# Altium PCB Mag256_9mm.PcbDoc (part 4 of 6)
Units mm, origin at the board's own origin, x right, y up, seen from the top; angles counter-clockwise.
Board outline 174.75 x 142 mm, 6 copper layers (L1 (SIG), L2 (GND), L3 (SIG), L4 (GND), L5 (PWR), L6 (SIG)), stack 1.597 mm thick; 756 components, 438 nets, 2517 pads, 2145 vias.
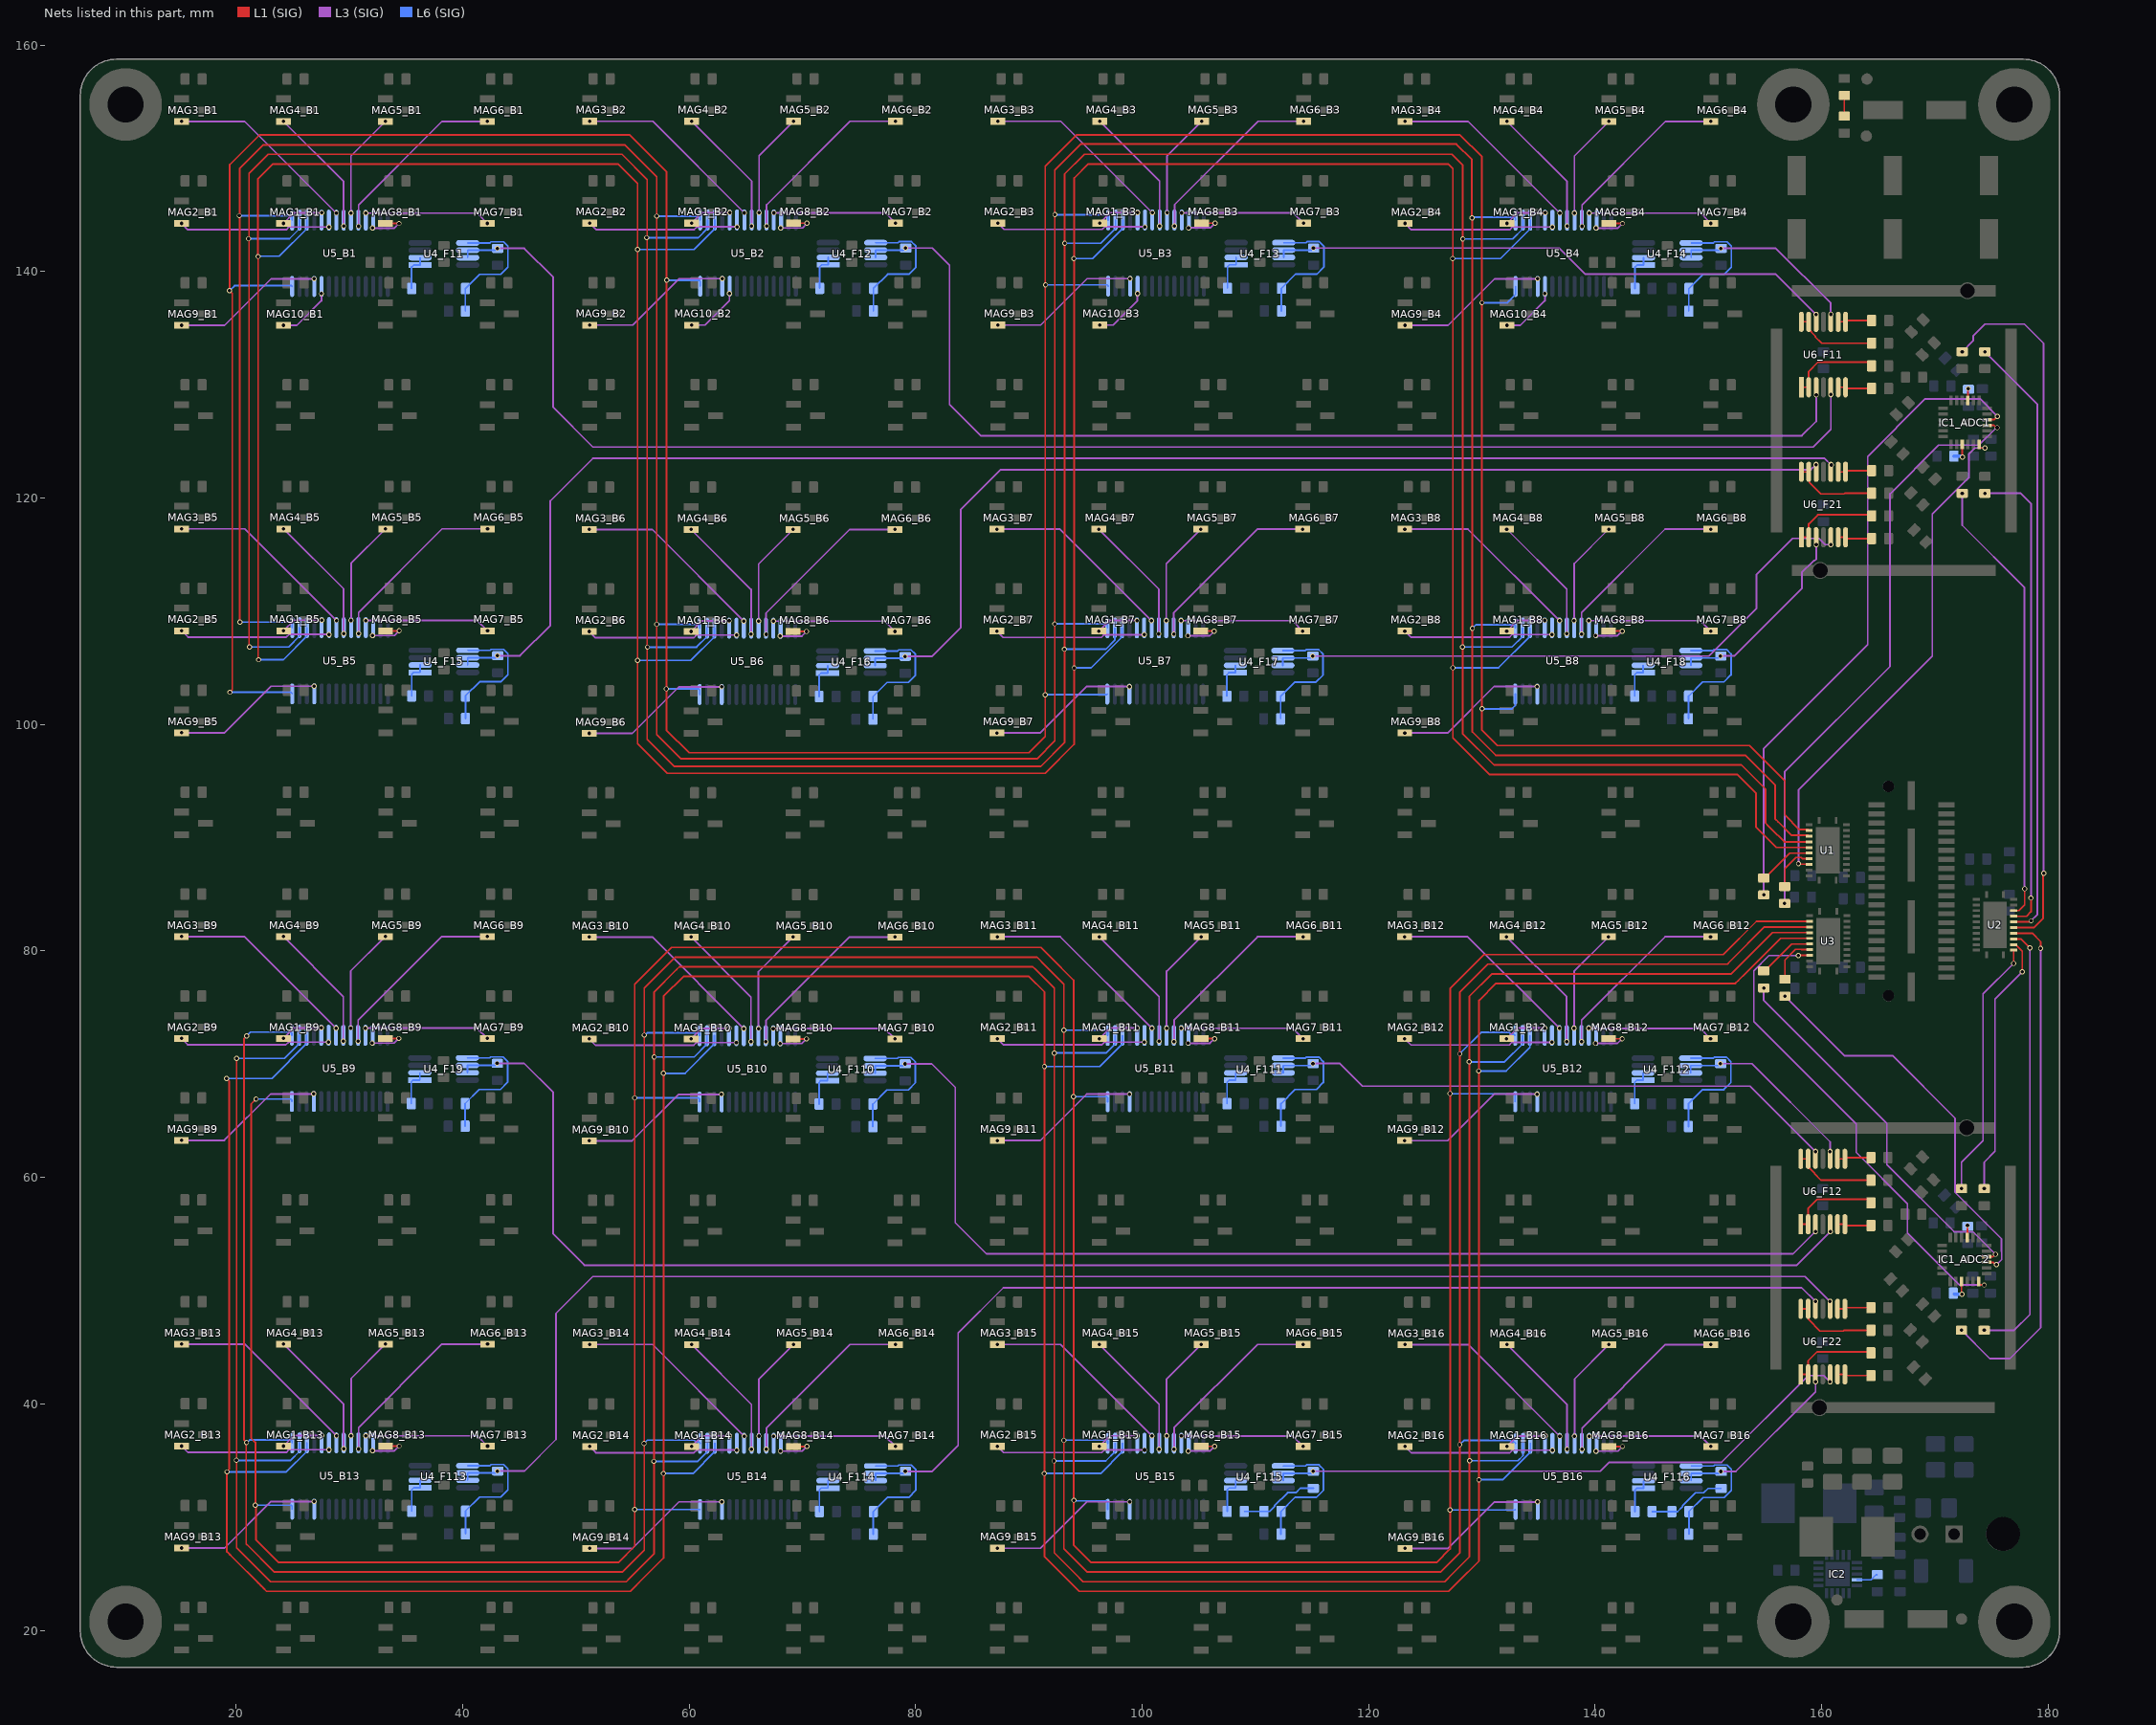
[diagram p8: the nets of this part, all layers, seen from the top]

## Via types
v1: diameter 0.45, hole 0.3, L1 (SIG) to L6 (SIG), 2060 vias
v2: diameter 0.5, hole 0.3, L1 (SIG) to L6 (SIG), 85 vias

## Nets (pads, with @x,y where several pads share a name; then routed paths per layer and width w, separated by ;. In a path a pad name is that pad's centre, name@x,y a point inside that pad or via, vN(x,y) a via of type N, cw(c..) or ccw(c..) an arc to the next point about the centre after c; other vN are vias at no path point) (continued)
NetC53_F115_1: C53_F115.1 R13_F115.1 R14_F115.2 | length 7
  L6 (SIG) w0.152: R13_F115.1@109.011,30.499 R14_F115.2@110.761,30.499 111.261,30.499 111.696,30.934 111.696,31.009 112.846,32.159 113.572,32.159 113.962,32.549 C53_F115.1@115.111,32.549
NetC53_F116_1: C53_F116.1 R13_F116.1 R14_F116.2 | length 7
  L6 (SIG) w0.152: R13_F116.1@145.024,30.484 R14_F116.2@146.774,30.484 147.274,30.484 147.709,30.919 147.709,30.993 148.859,32.144 149.586,32.144 149.976,32.534 C53_F116.1@151.124,32.534
NetC55_F11_2: C55_F11.2 R14_F11.1 U4_F11.5 | length 12.1
  L6 (SIG) w0.152: C55_F11.2@40.25,136.5 R14_F11.1@40.25,138.5 41.5,139.75 43.375,139.75 44,140.375 44,142.225 43.61,142.615 42.511,142.615 42.421,142.525 U4_F11.5@40.45,142.525
NetC55_F12_2: C55_F12.2 R14_F12.1 U4_F12.5 | length 12.1
  L6 (SIG) w0.152: C55_F12.2@76.279,136.518 R14_F12.1@76.279,138.518 77.529,139.768 79.404,139.768 80.029,140.393 80.029,142.243 79.638,142.633 78.539,142.633 78.449,142.543 U4_F12.5@76.479,142.543
NetC55_F13_2: C55_F13.2 R14_F13.1 U4_F13.5 | length 12.1
  L6 (SIG) w0.152: C55_F13.2@112.298,136.52 R14_F13.1@112.298,138.52 113.548,139.77 115.423,139.77 116.048,140.395 116.048,142.244 115.657,142.635 114.558,142.635 114.468,142.545 U4_F13.5@112.498,142.545
NetC55_F14_2: C55_F14.2 R14_F14.1 U4_F14.5 | length 12.1
  L6 (SIG) w0.152: C55_F14.2@148.273,136.5 R14_F14.1@148.273,138.5 149.523,139.75 151.398,139.75 152.023,140.375 152.023,142.225 151.633,142.615 150.534,142.615 150.444,142.525 U4_F14.5@148.473,142.525
NetC55_F15_2: C55_F15.2 R14_F15.1 U4_F15.5 | length 12.1
  L6 (SIG) w0.152: C55_F15.2@40.256,100.52 R14_F15.1@40.256,102.52 41.506,103.77 43.381,103.77 44.006,104.395 44.006,106.245 43.616,106.635 42.517,106.635 42.427,106.545 U4_F15.5@40.456,106.545
NetC55_F16_2: C55_F16.2 R14_F16.1 U4_F16.5 | length 12.1
  L6 (SIG) w0.152: C55_F16.2@76.233,100.465 R14_F16.1@76.233,102.465 77.483,103.715 79.358,103.715 79.983,104.34 79.983,106.19 79.593,106.58 78.494,106.58 78.404,106.49 U4_F16.5@76.434,106.49
NetC55_F17_2: C55_F17.2 R14_F17.1 U4_F17.5 | length 12.1
  L6 (SIG) w0.152: C55_F17.2@112.229,100.496 R14_F17.1@112.229,102.496 113.479,103.746 115.354,103.746 115.979,104.371 115.979,106.221 115.589,106.611 114.49,106.611 114.4,106.521 U4_F17.5@112.43,106.521
NetC55_F18_2: C55_F18.2 R14_F18.1 U4_F18.5 | length 12.1
  L6 (SIG) w0.152: C55_F18.2@148.242,100.501 R14_F18.1@148.242,102.501 149.492,103.751 151.367,103.751 151.992,104.376 151.992,106.226 151.601,106.616 150.502,106.616 150.412,106.526 U4_F18.5@148.442,106.526
NetC55_F19_2: C55_F19.2 R14_F19.1 U4_F19.5 | length 12.1
  L6 (SIG) w0.152: C55_F19.2@40.223,64.52 R14_F19.1@40.223,66.52 41.473,67.77 43.348,67.77 43.973,68.395 43.973,70.245 43.583,70.635 42.484,70.635 42.394,70.545 U4_F19.5@40.423,70.545
NetC55_F110_2: C55_F110.2 R14_F110.1 U4_F110.5 | length 12.1
  L6 (SIG) w0.152: C55_F110.2@76.224,64.477 R14_F110.1@76.224,66.477 77.474,67.727 79.349,67.727 79.974,68.352 79.974,70.202 79.584,70.592 78.485,70.592 78.395,70.502 U4_F110.5@76.424,70.502
NetC55_F111_2: C55_F111.2 R14_F111.1 U4_F111.5 | length 12.1
  L6 (SIG) w0.152: C55_F111.2@112.255,64.507 R14_F111.1@112.255,66.507 113.505,67.757 115.38,67.757 116.005,68.382 116.005,70.232 115.615,70.622 114.516,70.622 114.426,70.532 U4_F111.5@112.456,70.532
NetC55_F112_2: C55_F112.2 R14_F112.1 U4_F112.5 | length 12.1
  L6 (SIG) w0.152: C55_F112.2@148.236,64.501 R14_F112.1@148.236,66.501 149.486,67.751 151.361,67.751 151.986,68.376 151.986,70.225 151.596,70.616 150.497,70.616 150.407,70.526 U4_F112.5@148.436,70.526
NetC55_F113_2: C55_F113.2 R14_F113.1 U4_F113.5 | length 12.1
  L6 (SIG) w0.152: C55_F113.2@40.255,28.521 R14_F113.1@40.255,30.521 41.505,31.771 43.38,31.771 44.005,32.396 44.005,34.246 43.615,34.636 42.516,34.636 42.426,34.546 U4_F113.5@40.455,34.546
NetC55_F114_2: C55_F114.2 R14_F114.1 U4_F114.5 | length 12.1
  L6 (SIG) w0.152: C55_F114.2@76.262,28.491 R14_F114.1@76.262,30.491 77.512,31.741 79.387,31.741 80.012,32.366 80.012,34.216 79.621,34.606 78.522,34.606 78.432,34.516 U4_F114.5@76.462,34.516
NetC55_F115_2: C55_F115.2 R14_F115.1 U4_F115.5 | length 12.1
  L6 (SIG) w0.152: C55_F115.2@112.261,28.499 R14_F115.1@112.261,30.499 113.511,31.749 115.386,31.749 116.011,32.374 116.011,34.224 115.621,34.614 114.521,34.614 114.431,34.524 U4_F115.5@112.461,34.524
NetC55_F116_2: C55_F116.2 R14_F116.1 U4_F116.5 | length 12.1
  L6 (SIG) w0.152: C55_F116.2@148.274,28.484 R14_F116.1@148.274,30.484 149.524,31.734 151.399,31.734 152.024,32.359 152.024,34.209 151.634,34.599 150.535,34.599 150.445,34.509 U4_F116.5@148.474,34.509
NetD2_A: D2.A R10.1 | length 1.8
  L1 (SIG) w0.152: R10.1@162,153.725 D2.A@162,155.55
NetIC1_ADC1_18: IC1_ADC1.18 U1.21 | length 45.8
  L1 (SIG) w0.152: v1(157.955,87.696) 157.985,87.666 158.846,87.666 U1.21@158.876,87.637 ; IC1_ADC1.18@173.906,124.719 173.906,124.495 173.98,124.421 v1(174.408,124.421)
  L3 (SIG) w0.152: v1(157.955,87.696) 157.955,94.205 169.772,106.022 169.772,118.57 172.988,121.786 172.988,123.875 173.535,124.421 v1(174.408,124.421)
NetIC1_ADC1_21: IC1_ADC1.21 R5.1 | length 52.9
  L1 (SIG) w0.152: IC1_ADC1.21@174.606,126.419 175.204,126.419 175.412,126.211 v1(175.492,126.211)
  L3 (SIG) w0.152: v1(156.731,84.19) 156.731,95.822 166.036,105.128 166.036,120.368 170.33,124.662 173.864,124.662 175.413,126.211 v1(175.492,126.211)
NetIC1_ADC1_22: IC1_ADC1.22 R6.1 | length 57.8
  L1 (SIG) w0.152: IC1_ADC1.22@174.606,126.919 175.234,126.919 v1(175.523,127.208)
  L3 (SIG) w0.152: v1(154.882,84.942) 154.882,97.882 164.061,107.061 164.061,123.67 169.142,128.75 173.98,128.75 v1(175.523,127.208)
NetIC1_ADC2_18: IC1_ADC2.18 U3.21 | length 43.7
  L1 (SIG) w0.152: v1(157.933,79.591) 157.943,79.601 158.915,79.601 U3.21@158.926,79.612 ; IC1_ADC2.18@173.85,50.8 173.85,50.576 173.924,50.502 v1(174.352,50.502)
  L3 (SIG) w0.152: v1(157.933,79.591) 155.341,79.591 154.002,78.252 154.002,73.754 163.043,64.713 163.043,62.207 167.574,57.676 167.574,55.09 172.163,50.502 v1(174.352,50.502)
NetIC1_ADC2_21: IC1_ADC2.21 R7.1 | length 35.3
  L1 (SIG) w0.152: IC1_ADC2.21@174.55,52.5 175.148,52.5 175.356,52.292 v1(175.436,52.292)
  L3 (SIG) w0.152: v1(156.75,76) 162,70.75 166.25,70.75 171.774,65.226 171.774,58.687 175.87,54.591 175.87,53.461 175.889,53.442 175.889,52.745 v1(175.436,52.292)
NetIC1_ADC2_22: IC1_ADC2.22 R8.1 | length 33.8
  L1 (SIG) w0.152: IC1_ADC2.22@174.55,53 175.125,53 175.334,53.208 v1(175.334,53.212)
  L3 (SIG) w0.152: v1(154.882,76.734) 154.882,75.618 165.75,64.75 165.75,61.14 171.695,55.195 173.35,55.195 v1(175.334,53.212)
NetIC2_4: IC2.4 R12.2 | length 2
  L6 (SIG) w0.152: IC2.4@163.116,24.467 164.353,24.467 164.803,24.917 R12.2@164.916,24.917
NetR1_ADC1_2: R1_ADC1.2 U2.19 | length 54
  L1 (SIG) w0.152: U2.19@176.951,82.562 178.312,82.562 178.409,82.66 v1(178.49,82.66)
  L3 (SIG) w0.152: v1(174.406,132.919) 179.048,128.277 179.048,83.218 v1(178.49,82.66)
NetR1_ADC2_2: R1_ADC2.2 U2.15 | length 23.4
  L1 (SIG) w0.152: U2.15@176.951,80.562 177.126,80.562 177.714,79.973 v1(177.714,78.161)
  L3 (SIG) w0.152: v1(174.35,59) 174.35,61.35 175.3,62.3 175.3,75.747 v1(177.714,78.161)
NetR2_ADC1_1: R2_ADC1.1 U2.20 | length 42.2
  L1 (SIG) w0.152: U2.20@176.951,83.062 178.076,83.062 178.481,83.467 v1(178.481,84.677)
  L3 (SIG) w0.152: v1(174.406,120.419) 177.581,120.419 178.481,119.519 v1(178.481,84.677)
NetR2_ADC2_1: R2_ADC2.1 U2.16 | length 38.8
  L1 (SIG) w0.152: U2.16@176.951,81.062 177.594,81.062 v1(178.385,80.27)
  L3 (SIG) w0.152: v1(174.35,46.5) 177,46.5 178.385,47.885 v1(178.385,80.27)
NetR3_ADC1_2: R3_ADC1.2 U2.18 | length 62.9
  L1 (SIG) w0.152: U2.18@176.955,82.057 178.721,82.057 179.557,82.893 179.557,86.807 v1(179.603,86.853)
  L3 (SIG) w0.152: v1(172.406,132.919) 173.37,133.882 173.37,134.317 174.401,135.349 177.901,135.349 179.591,133.659 179.591,86.865 v1(179.603,86.853)
NetR3_ADC2_2: R3_ADC2.2 U2.14 | length 23
  L1 (SIG) w0.152: v1(176.947,78.895) 176.947,80.059 U2.14@176.951,80.062
  L3 (SIG) w0.152: v1(172.35,59) 172.35,61.35 174.25,63.25 174.25,76.198 v1(176.947,78.895)
NetR4_ADC1_1: R4_ADC1.1 U2.21 | length 39.8
  L1 (SIG) w0.152: U2.21@176.951,83.562 177.401,83.562 177.926,84.087 v1(177.926,85.487)
  L3 (SIG) w0.152: v1(172.406,120.419) 172.406,117.594 177.895,112.105 177.895,85.517 v1(177.926,85.487)
NetR4_ADC2_1: R4_ADC2.1 U2.17 | length 45.9
  L1 (SIG) w0.152: U2.17@176.951,81.562 178.584,81.562 179.334,80.812 v1(179.334,80.228)
  L3 (SIG) w0.152: v1(172.35,46.5) 174.85,44 176.608,44 179.334,46.726 v1(179.334,80.228)
NetR5_2: R5.2 U1.20 | length 4.2
  L1 (SIG) w0.152: R5.2@156.731,85.69 156.75,85.708 156.75,87.275 157.725,88.251 158.185,88.251 158.299,88.137 U1.20@158.876,88.137
NetR6_2: R6.2 U1.19 | length 4.9
  L1 (SIG) w0.152: R6.2@154.882,86.442 154.982,86.442 157.177,88.637 U1.19@158.876,88.637
NetR7_2: R7.2 U3.20 | length 4.3
  L1 (SIG) w0.152: R7.2@156.75,77.5 156.75,79.193 157.703,80.146 158.185,80.146 158.219,80.112 U3.20@158.926,80.112
NetR8_2: R8.2 U3.19 | length 5
  L1 (SIG) w0.152: R8.2@154.882,78.234 154.982,78.234 157.36,80.612 U3.19@158.926,80.612
NetR13_F11_2: R13_F11.2 U4_F11.1 U4_F11.2 | length 3.4
  L6 (SIG) w0.152: R13_F11.2@35.5,138.5 35.5,140.401 35.674,140.575 U4_F11.1@36.25,140.575 U4_F11.2@36.25,141.225
NetR13_F12_2: R13_F12.2 U4_F12.1 U4_F12.2 | length 3.4
  L6 (SIG) w0.152: R13_F12.2@71.529,138.518 71.529,140.419 71.702,140.593 U4_F12.1@72.278,140.593 U4_F12.2@72.278,141.243
NetR13_F13_2: R13_F13.2 U4_F13.1 U4_F13.2 | length 3.4
  L6 (SIG) w0.152: R13_F13.2@107.548,138.52 107.548,140.421 107.721,140.595 U4_F13.1@108.297,140.595 U4_F13.2@108.297,141.245
NetR13_F14_2: R13_F14.2 U4_F14.1 U4_F14.2 | length 3.4
  L6 (SIG) w0.152: R13_F14.2@143.523,138.5 143.523,140.401 143.697,140.575 U4_F14.1@144.273,140.575 U4_F14.2@144.273,141.225
NetR13_F15_2: R13_F15.2 U4_F15.1 U4_F15.2 | length 3.4
  L6 (SIG) w0.152: R13_F15.2@35.506,102.52 35.506,104.421 35.68,104.595 U4_F15.1@36.256,104.595 U4_F15.2@36.256,105.245
NetR13_F16_2: R13_F16.2 U4_F16.1 U4_F16.2 | length 3.4
  L6 (SIG) w0.152: R13_F16.2@71.483,102.465 71.483,104.366 71.657,104.54 U4_F16.1@72.233,104.54 U4_F16.2@72.233,105.19
NetR13_F17_2: R13_F17.2 U4_F17.1 U4_F17.2 | length 3.4
  L6 (SIG) w0.152: R13_F17.2@107.479,102.496 107.479,104.398 107.653,104.571 U4_F17.1@108.229,104.571 U4_F17.2@108.229,105.221
NetR13_F18_2: R13_F18.2 U4_F18.1 U4_F18.2 | length 3.4
  L6 (SIG) w0.152: R13_F18.2@143.492,102.501 143.492,104.402 143.665,104.576 U4_F18.1@144.241,104.576 U4_F18.2@144.241,105.226
NetR13_F19_2: R13_F19.2 U4_F19.1 U4_F19.2 | length 3.4
  L6 (SIG) w0.152: R13_F19.2@35.473,66.52 35.473,68.421 35.647,68.595 U4_F19.1@36.223,68.595 U4_F19.2@36.223,69.245
NetR13_F110_2: R13_F110.2 U4_F110.1 U4_F110.2 | length 3.4
  L6 (SIG) w0.152: R13_F110.2@71.474,66.477 71.474,68.378 71.648,68.552 U4_F110.1@72.224,68.552 U4_F110.2@72.224,69.202
NetR13_F111_2: R13_F111.2 U4_F111.1 U4_F111.2 | length 3.4
  L6 (SIG) w0.152: R13_F111.2@107.505,66.507 107.505,68.408 107.679,68.582 U4_F111.1@108.255,68.582 U4_F111.2@108.255,69.232
NetR13_F112_2: R13_F112.2 U4_F112.1 U4_F112.2 | length 3.4
  L6 (SIG) w0.152: R13_F112.2@143.486,66.501 143.486,68.402 143.66,68.576 U4_F112.1@144.236,68.576 U4_F112.2@144.236,69.226
NetR13_F113_2: R13_F113.2 U4_F113.1 U4_F113.2 | length 3.4
  L6 (SIG) w0.152: R13_F113.2@35.505,30.521 35.505,32.422 35.679,32.596 U4_F113.1@36.255,32.596 U4_F113.2@36.255,33.246
NetR13_F114_2: R13_F114.2 U4_F114.1 U4_F114.2 | length 3.4
  L6 (SIG) w0.152: R13_F114.2@71.512,30.491 71.512,32.392 71.685,32.566 U4_F114.1@72.261,32.566 U4_F114.2@72.261,33.216
NetR13_F115_2: R13_F115.2 U4_F115.1 U4_F115.2 | length 3.4
  L6 (SIG) w0.152: R13_F115.2@107.511,30.499 107.511,32.4 107.685,32.574 U4_F115.1@108.26,32.574 U4_F115.2@108.26,33.224
NetR13_F116_2: R13_F116.2 U4_F116.1 U4_F116.2 | length 3.4
  L6 (SIG) w0.152: R13_F116.2@143.524,30.484 143.524,32.385 143.698,32.559 U4_F116.1@144.274,32.559 U4_F116.2@144.274,33.209
NetR15_F11_2: R15_F11.2 U6_F11.1 U6_F11.2 | length 8.1
  L1 (SIG) w0.152: U6_F11.1@158.206,129.777 U6_F11.2@158.856,129.777 158.856,131.175 159.681,131.999 164.084,131.999 164.406,131.677 R15_F11.2@164.406,131.669
NetR15_F12_2: R15_F12.2 U6_F12.1 U6_F12.2 | length 8.1
  L1 (SIG) w0.152: U6_F12.1@158.15,55.859 U6_F12.2@158.8,55.859 158.8,57.256 159.625,58.081 164.028,58.081 164.35,57.759 R15_F12.2@164.35,57.75
NetR15_F21_2: R15_F21.2 U6_F21.1 U6_F21.2 | length 7.7
  L1 (SIG) w0.152: U6_F21.1@158.206,116.527 U6_F21.2@158.856,116.527 158.856,117.707 159.658,118.509 164.316,118.509 R15_F21.2@164.406,118.419
NetR15_F22_2: R15_F22.2 U6_F22.1 U6_F22.2 | length 7.7
  L1 (SIG) w0.152: U6_F22.1@158.15,42.609 U6_F22.2@158.8,42.609 158.8,43.788 159.602,44.59 164.26,44.59 R15_F22.2@164.35,44.5
NetR16_F11_2: R16_F11.2 U6_F11.6 U6_F11.7 | length 3
  L1 (SIG) w0.152: U6_F11.6@161.456,129.777 U6_F11.7@162.106,129.777 162.215,129.669 R16_F11.2@164.406,129.669
NetR16_F12_2: R16_F12.2 U6_F12.6 U6_F12.7 | length 3
  L1 (SIG) w0.152: U6_F12.6@161.4,55.859 U6_F12.7@162.05,55.859 162.159,55.75 R16_F12.2@164.35,55.75
NetR16_F21_2: R16_F21.2 U6_F21.6 U6_F21.7 | length 2.7
  L1 (SIG) w0.152: U6_F21.6@161.456,116.527 U6_F21.7@162.106,116.527 162.215,116.419 R16_F21.2@164.156,116.419
NetR16_F22_2: R16_F22.2 U6_F22.6 U6_F22.7 | length 2.7
  L1 (SIG) w0.152: U6_F22.6@161.4,42.609 U6_F22.7@162.05,42.609 162.159,42.5 R16_F22.2@164.1,42.5
NetR17_F11_2: R17_F11.2 U6_F11.13 U6_F11.14 | length 7.4
  L1 (SIG) w0.152: U6_F11.14@158.206,135.56 U6_F11.13@158.856,135.56 158.856,134.876 159.438,134.294 159.438,134.23 159.999,133.669 R17_F11.2@164.406,133.669
NetR17_F12_2: R17_F12.2 U6_F12.13 U6_F12.14 | length 7.4
  L1 (SIG) w0.152: U6_F12.14@158.15,61.641 U6_F12.13@158.8,61.641 158.8,60.957 159.382,60.376 159.382,60.311 159.943,59.75 R17_F12.2@164.35,59.75
NetR17_F21_2: R17_F21.2 U6_F21.13 U6_F21.14 | length 7.6
  L1 (SIG) w0.152: U6_F21.14@158.206,122.31 U6_F21.13@158.856,122.31 158.907,122.259 158.907,121.356 159.91,120.353 161.964,120.353 162.03,120.419 R17_F21.2@164.406,120.419
NetR17_F22_2: R17_F22.2 U6_F22.13 U6_F22.14 | length 7.6
  L1 (SIG) w0.152: U6_F22.14@158.15,48.391 U6_F22.13@158.8,48.391 158.851,48.34 158.851,47.437 159.854,46.435 161.908,46.435 161.974,46.5 R17_F22.2@164.35,46.5
NetR18_F11_2: R18_F11.2 U6_F11.8 U6_F11.9 | length 3
  L1 (SIG) w0.152: U6_F11.9@161.456,135.56 U6_F11.8@162.106,135.56 162.215,135.669 R18_F11.2@164.406,135.669
NetR18_F12_2: R18_F12.2 U6_F12.8 U6_F12.9 | length 3
  L1 (SIG) w0.152: U6_F12.9@161.4,61.641 U6_F12.8@162.05,61.641 162.159,61.75 R18_F12.2@164.35,61.75
NetR18_F21_2: R18_F21.2 U6_F21.8 U6_F21.9 | length 3
  L1 (SIG) w0.152: U6_F21.9@161.456,122.31 U6_F21.8@162.106,122.31 162.215,122.419 164.293,122.419 R18_F21.2@164.364,122.347
NetR18_F22_2: R18_F22.2 U6_F22.8 U6_F22.9 | length 3
  L1 (SIG) w0.152: U6_F22.9@161.4,48.391 U6_F22.8@162.05,48.391 162.159,48.5 164.237,48.5 R18_F22.2@164.308,48.429
NetU1_15: U1.15 U5_B1.14 U5_B2.14 U5_B3.14 U5_B4.14 U5_B5.14 U5_B6.14 U5_B7.14 U5_B8.14 | length 385.1
  L1 (SIG) w0.152: v1(19.422,138.304) 19.677,138.05 19.677,103.064 v1(19.456,102.843) ; v1@19.443,138.304 19.443,149.443 22.057,152.057 54.781,152.057 58,148.839 58,139.23 58,103.144 58,99.5 60,97.5 90,97.5 91.443,98.943 91.443,102.611 v1(91.433,102.62) 91.452,102.638 91.452,138.805 91.443,138.814 91.443,149.309 94.191,152.057 128.075,152.057 130,150.132 130,137.24 130,102.75 130,99.5 131.368,98.132 153.618,98.132 156.75,95 156.75,92 158.037,90.713 158.799,90.713 U1.15@158.876,90.637
  L6 (SIG) w0.152: v1(19.422,138.304) 19.868,138.75 24.884,138.75 U5_B1.14@24.951,138.683 ; v1(19.456,102.843) 24.866,102.843 24.957,102.752 U5_B5.14@24.957,102.703 ; v1(57.996,103.144) 60.844,103.144 60.935,103.053 U5_B6.14@60.935,102.648 ; v1(58.017,139.23) 60.889,139.23 60.98,139.139 U5_B2.14@60.98,138.701 ; v1(91.433,102.62) 91.454,102.64 96.892,102.64 U5_B7.14@96.931,102.679 ; v1(91.47,138.814) 96.908,138.814 96.999,138.722 U5_B3.14@96.999,138.702 ; v1(129.996,137.24) 132.24,137.24 132.974,137.974 U5_B4.14@132.974,138.683 ; v1(130.018,101.38) 132.658,101.38 132.943,101.665 U5_B8.14@132.943,102.684
NetU1_16: U1.16 U5_B1.15 U5_B2.15 U5_B3.15 U5_B4.15 U5_B5.15 U5_B6.15 U5_B7.15 U5_B8.15 | length 376.1
  L1 (SIG) w0.152: v1(20.356,109.038) 20.318,109.076 20.318,144.924 20.312,144.93 20.312,149.095 22.402,151.186 54.314,151.186 57.146,148.354 57.146,99.104 59.281,96.969 90.719,96.969 92.296,98.546 92.296,148.976 94.571,151.25 127.75,151.25 129.118,149.882 v1(129.118,144.73) ; v1@129.148,144.73 129.148,108.485 129.148,99.352 131.22,97.28 153.265,97.28 155.898,94.647 155.898,91.647 156.147,91.397 157.332,90.213 158.799,90.213 U1.16@158.876,90.137
  L6 (SIG) w0.152: v1(20.28,144.93) 24.86,144.93 24.951,144.839 U5_B1.15@24.951,144.533 ; v1@20.36,109.042 24.866,109.042 24.957,108.951 U5_B5.15@24.957,108.553 ; v1(57.135,108.845) 60.844,108.845 60.935,108.754 U5_B6.15@60.935,108.498 ; v1(57.153,144.889) 60.889,144.889 60.98,144.798 U5_B2.15@60.98,144.551 ; v1(92.274,108.887) 96.839,108.887 96.931,108.795 U5_B7.15@96.931,108.529 ; v1(92.304,145.019) 96.908,145.019 96.999,144.928 U5_B3.15@96.999,144.552 ; v1(129.118,144.73) 129.198,144.73 129.273,144.805 132.883,144.805 132.974,144.714 U5_B4.15@132.974,144.533 ; v1(129.152,108.485) 129.473,108.806 132.852,108.806 132.943,108.715 U5_B8.15@132.943,108.534
NetU1_17: U1.17 U5_B1.16 U5_B2.16 U5_B3.16 U5_B4.16 U5_B5.16 U5_B6.16 U5_B7.16 U5_B8.16 | length 388.3
  L1 (SIG) w0.152: v1(21.184,106.838) 21.148,106.874 21.148,142.898 21.148,148.648 22.852,150.352 54.075,150.352 56.295,148.133 56.295,142.984 56.295,106.825 56.295,98.705 58.705,96.295 91.045,96.295 93.148,98.398 93.148,148.603 94.897,150.352 127.368,150.352 128.295,149.426 128.295,142.869 128.295,106.847 128.295,99.205 131.073,96.427 152.912,96.427 155.045,94.294 155.045,91.294 155.295,91.044 155.545,90.795 156.702,89.637 U1.17@158.876,89.637
  L6 (SIG) w0.152: v1(21.105,142.898) 24.716,142.898 25.601,143.783 U5_B1.16@25.601,144.533 ; v1(21.184,106.838) 24.642,106.838 25.607,107.803 U5_B5.16@25.607,108.553 ; v1(56.267,142.984) 60.814,142.984 61.63,143.801 U5_B2.16@61.63,144.551 ; v1(56.323,106.825) 60.662,106.825 61.585,107.748 U5_B6.16@61.585,108.498 ; v1(93.126,106.646) 96.787,106.646 97.581,107.439 U5_B7.16@97.581,108.529 ; v1(93.158,142.496) 96.343,142.496 97.649,143.802 U5_B3.16@97.649,144.552 ; v1(128.282,106.847) 132.656,106.847 133.593,107.784 U5_B8.16@133.593,108.534 ; v1(128.308,142.869) 132.711,142.869 133.624,143.783 U5_B4.16@133.624,144.533
NetU1_18: U1.18 U5_B1.17 U5_B2.17 U5_B3.17 U5_B4.17 U5_B5.17 U5_B6.17 U5_B7.17 U5_B8.17 | length 397.5
  L1 (SIG) w0.152: v1(21.937,141.331) 21.954,141.314 21.954,105.759 v1(21.998,105.715) ; v1@21.939,141.333 21.939,148.189 23.25,149.5 53.722,149.5 55.443,147.779 55.443,141.954 55.443,105.666 55.443,98.307 58.058,95.692 91.442,95.692 94,98.25 v1(94,105) 94,148.25 95.25,149.5 127.015,149.5 127.443,149.073 127.443,141.149 127.443,105.004 127.443,98.807 130.675,95.575 152.559,95.575 154.193,93.941 154.193,90.941 154.442,90.691 154.692,90.441 154.942,90.192 155.997,89.137 U1.18@158.876,89.137
  L6 (SIG) w0.152: v1@21.941,141.352 23.821,141.352 26.251,143.783 U5_B1.17@26.251,144.533 ; v1(21.998,105.715) 24.17,105.715 26.257,107.803 U5_B5.17@26.257,108.553 ; v1(55.438,105.666) 60.153,105.666 62.235,107.748 U5_B6.17@62.235,108.498 ; v1(55.447,141.954) 60.434,141.954 62.28,143.801 U5_B2.17@62.28,144.551 ; v1(93.962,141.143) 95.64,141.143 98.299,143.802 U5_B3.17@98.299,144.552 ; v1(94,105) 95.483,105 98.231,107.748 U5_B7.17@98.231,108.529 ; v1(127.417,141.149) 131.64,141.149 134.274,143.783 U5_B4.17@134.274,144.533 ; v1(127.437,105.004) 131.463,105.004 134.243,107.784 U5_B8.17@134.243,108.534
NetU3_15: U3.15 U5_B9.14 U5_B10.14 U5_B11.14 U5_B12.14 U5_B13.14 U5_B14.14 U5_B15.14 U5_B16.14 | length 371
  L1 (SIG) w0.152: v1@21.706,31.067 21.706,36.598 21.335,36.969 21.335,66.482 v1(21.766,66.912) ; v1@21.75,31.059 21.75,28 23.75,26 53.75,26 55.193,27.443 55.193,77.059 57.692,79.558 57.941,79.808 58.191,80.058 58.441,80.307 91.059,80.307 91.309,80.058 91.559,79.808 91.808,79.558 93.948,77.419 93.948,67.134 93.948,27.552 95.5,26 126,26 127.193,27.193 127.193,76.693 130.183,79.683 151.317,79.683 154.245,82.612 U3.15@158.926,82.612
  L6 (SIG) w0.152: v1(21.697,31.059) 24.865,31.059 24.956,30.967 U5_B13.14@24.956,30.704 ; v1(21.766,66.912) 24.833,66.912 24.924,66.821 U5_B9.14@24.924,66.703 ; v1(55.189,30.669) 60.959,30.669 U5_B14.14@60.963,30.674 ; v1(55.196,67.026) 60.834,67.026 60.925,66.934 U5_B10.14@60.925,66.66 ; v1(93.928,67.134) 96.865,67.134 96.957,67.043 U5_B11.14@96.957,66.69 ; v1(93.967,31.491) 94.024,31.434 96.871,31.434 96.962,31.342 U5_B15.14@96.962,30.682 ; v1(127.193,67.403) 127.216,67.38 132.846,67.38 132.937,67.289 U5_B12.14@132.937,66.684 ; v1(127.195,30.634) 132.942,30.634 U5_B16.14@132.976,30.667